# KiCad board Retro.kicad_pcb (continued)
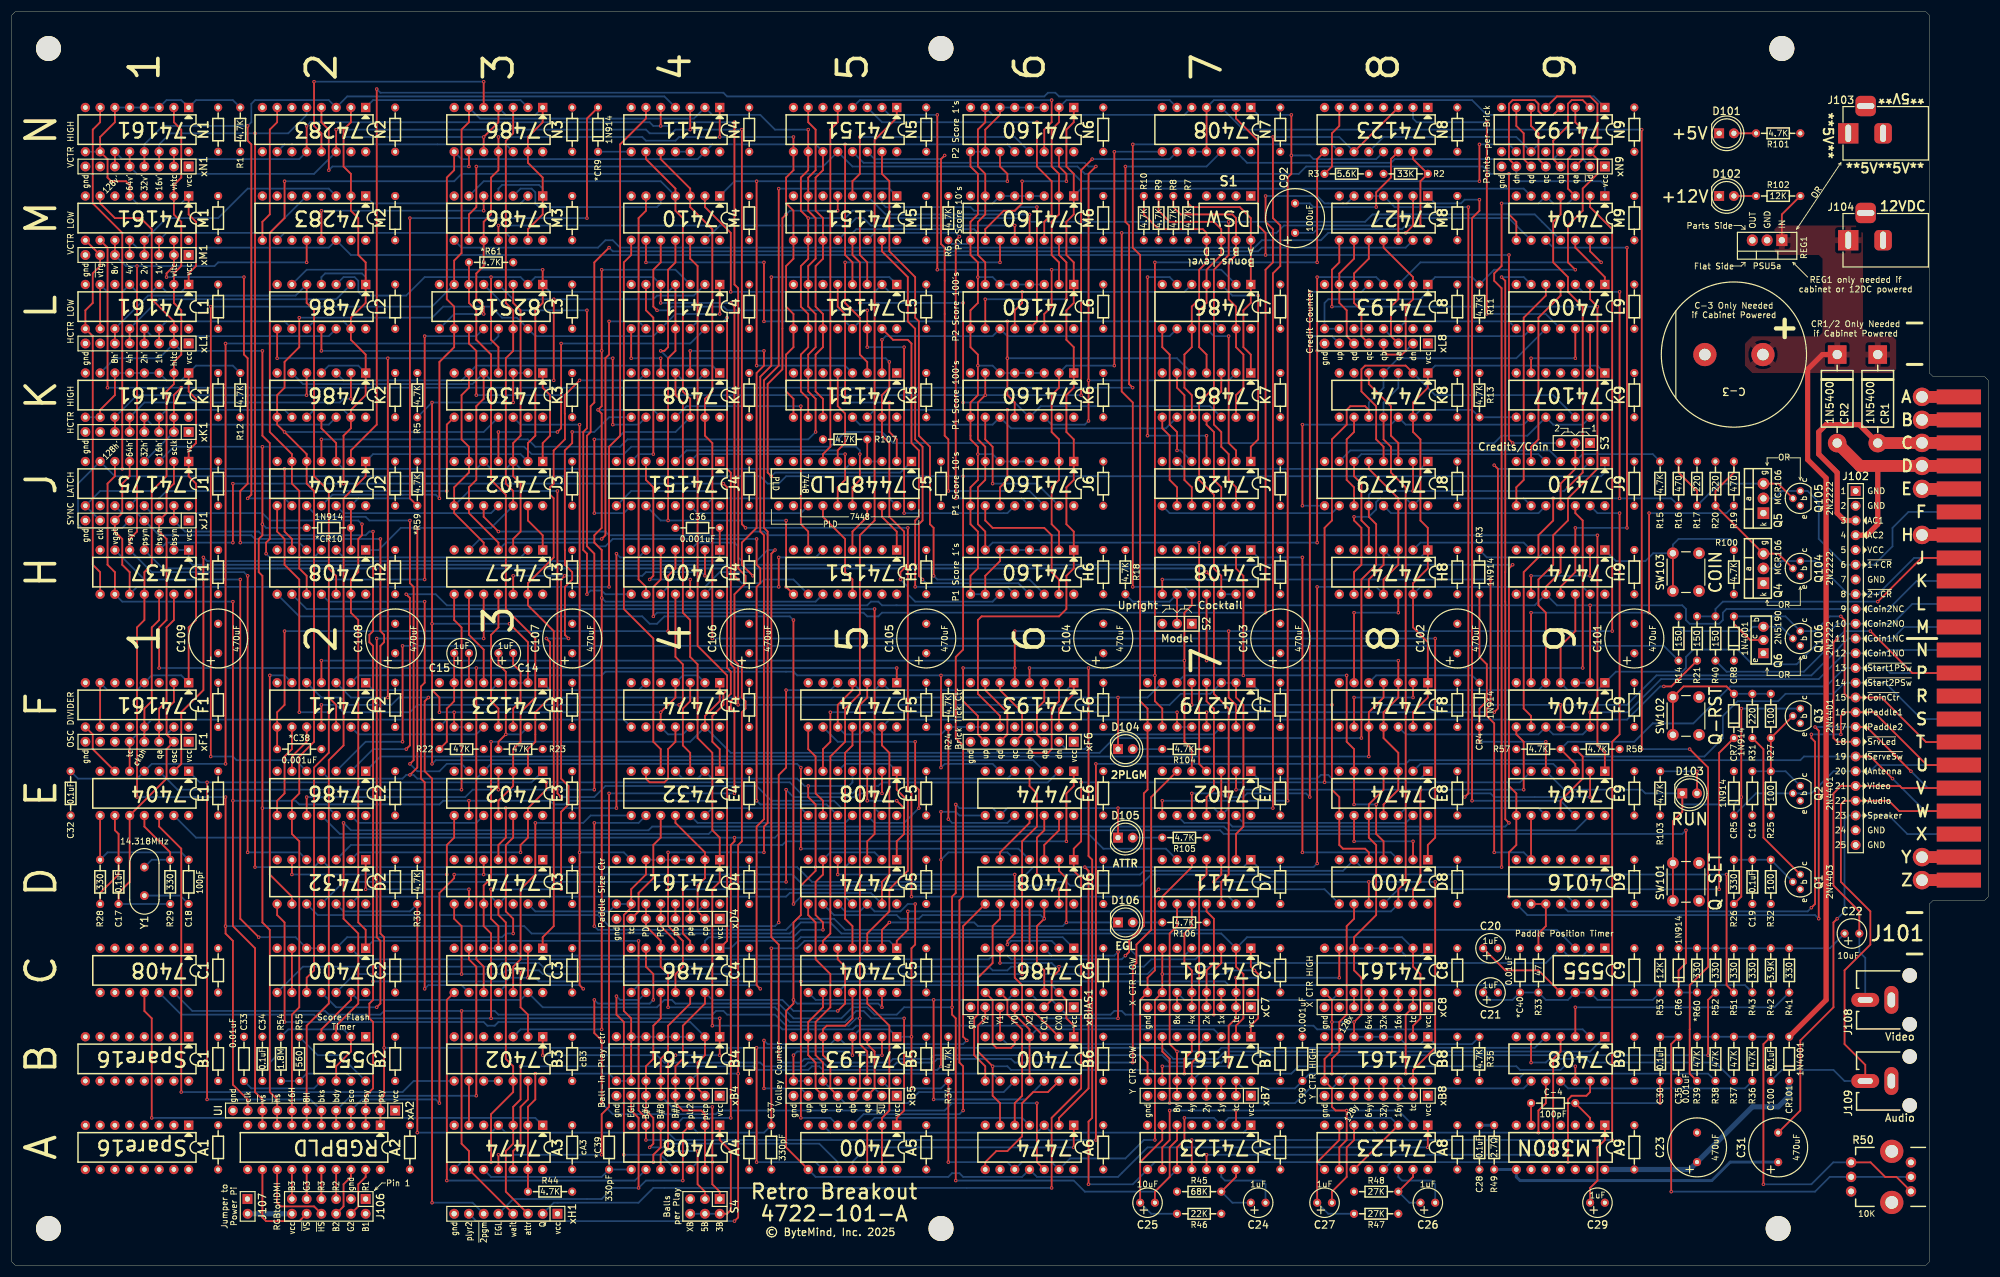
[diagram p0: board, top side]
## Routing (per net, layer and track width the routed paths; a pad name or vN(x,y) marks a point on that pad's centre or on a via; arc(x,y) is an arc through that point) (continued)
32V': length 175.2
  Top w0.305: N1.13 xN1.4 ; v1(40.64,196.21) 40.64,193.67 41.27,193.04 41.27,132.71 v1(40.64,132.08)
  Bottom w0.305: N4.4 112.39,201.29 57.78,201.29 N2.3 54.61,200.66 41.91,200.66 41.27,200.02 41.27,196.85 v1(40.64,196.21) 26.04,196.21 22.86,193.04 N1.13 ; v1(40.64,132.08) 46.99,132.08 J2.9
64V: length 487.9
  Top w0.305: v1(34.29,87.63) v1(34.29,165.1) ; K5.10 137.16,149.22 135.89,150.5 135.89,156.84 137.16,158.12 L5.10 137.16,163.83 135.89,165.1 135.89,172.08 137.16,173.35 M5.10 v1(137.16,180.34) 135.89,181.61 135.89,187.32 137.16,188.59 N5.10 v1(137.16,195.58) ; L3.7 76.2,173.04 77.47,174.31 77.47,195.58 78.74,196.85 N3.6 ; H7.12 208.28,118.74 207.01,120.01 207.01,132.71 204.47,135.25 204.47,148.59 207.01,151.13 207.01,171.45 209.55,173.99 v1(209.55,179.7)
  Bottom w0.305: M9.11 262.25,180.97 234.31,180.97 233.04,179.7 173.99,179.7 173.35,180.34 149.22,180.34 147.96,181.61 144.78,181.61 143.51,180.34 v1(137.16,180.34) ; v1(137.16,195.58) 131.44,195.58 128.91,198.12 120.65,198.12 N4.2 117.47,197.48 80.64,197.48 N3.6 ; v1(34.29,87.63) 38.1,87.63 38.73,86.99 48.9,86.99 E2.5 ; v1(34.29,165.1) 72.39,165.1 L3.7 ; H7.12 H7.13
64V1: length 74.3
  Top w0.305: E8.11 236.22,79.38 238.76,81.91 E8.3 238.76,88.26 236.22,90.8 F8.11 236.22,95.25 238.76,97.79 F8.3 v1(238.76,104.14) ; H7.11 v1(205.74,104.14)
  Bottom w0.305: v1(205.74,104.14) v1(238.76,104.14)
64V': length 335.2
  Top w0.305: N2.14 v1(55.88,195.58) ; v1(154.94,63.5) 154.94,81.28 154.31,81.91 v1(154.31,127) ; v1(116.84,195.58) N4.3 ; v1(125.73,195.58) 125.73,127.63 v1(126.36,127) ; N1.12 xN1.5
  Bottom w0.305: N2.14 52.07,187.96 21.59,187.96 xN1.5 ; v1(125.73,195.58) v1(116.84,195.58) 114.3,195.58 113.67,194.94 109.86,194.94 109.22,195.58 v1(55.88,195.58) ; D7.13 209.55,63.5 v1(154.94,63.5) ; v1(154.31,127) v1(126.36,127)
128V: length 149.1
  Top w0.305: v1(81.28,163.83) 81.28,165.1 80.01,166.37 80.01,170.81 81.28,172.08 M3.10 81.28,179.7 82.55,180.97 82.55,187.32 83.82,188.59 N3.11 v1(83.82,194.31) ; N4.1 v1(121.92,194.31) ; v1(134.62,194.31) N5.9 134.62,188.59 133.35,187.32 133.35,182.88 134.62,181.61 M5.9 134.62,173.35 133.35,172.08 133.35,165.1 134.62,163.83 L5.9 134.62,158.12 133.35,156.84 133.35,150.5 134.62,149.22 K5.9
  Bottom w0.305: v1(81.28,163.83) 76.2,163.83 L3.9 ; v1(134.62,194.31) v1(121.92,194.31) 114.94,194.31 114.3,193.67 109.22,193.67 108.58,194.31 v1(83.82,194.31)
128V': length 339.7
  Top w0.305: D7.2 210.82,74.29 212.09,75.56 212.09,96.52 210.82,97.79 F7.2 ; N1.11 xN1.6 ; v1(111.76,196.21) N4.5 ; v1(125.09,96.52) 125.09,103.5 124.46,104.14 124.46,115.57 126.36,117.47 126.36,118.74 125.09,120.01 125.11,120.03 125.11,164.45 125.09,164.46 125.09,168.27 124.46,168.91 v1(124.46,196.85) ; N2.12 v1(50.8,196.21)
  Bottom w0.305: F7.2 F7.3 206.38,98.42 201.29,98.42 199.39,96.52 v1(125.09,96.52) ; N1.11 19.05,190.5 49.53,190.5 N2.12 ; v1(50.8,196.21) 51.44,196.85 109.86,196.85 110.49,196.21 v1(111.76,196.21) 113.03,196.21 113.67,196.85 v1(124.46,196.85)
/vbus: length 29.6
  Bottom w0.305: C22.1 313.06,54.61 R41.2 R42.2 R43.1 R51.1 R52.2 *R60.1 CR6.2
GND: length 63.5
  Top w2.032: J101.H J101.7 ; J101.A J101.1 ; J101.B J101.2 ; J101.Y J101.21 ; J101.22 J101.Z
  Bottom w2.032: J101.A J101.1 ; J101.Z J101.22 ; J101.B J101.2 ; J101.7 J101.H ; J101.Y J101.21
VCC: length 27.3
  Top w2.032: J101.E J101.5
  Bottom w0.305: R55.1 52.7,36.19 56.52,36.19 B2.8
  Bottom w2.032: J101.E J101.5
1_OR_2_CREDIT: length 107.8
  Top w0.305: v1(276.86,167.64) v1(276.86,132.08) ; v1(265.43,132.08) 265.43,128.27 262.89,125.73 262.89,121.92 260.35,119.38 260.35,95.88 261.62,94.61 F9.9
  Bottom w0.305: R16.1 285.75,132.08 v1(265.43,132.08) ; L9.3 270.51,167.64 v1(276.86,167.64)
1H: length 148.9
  Top w0.305: L2.8 v1(45.72,156.21) ; v1(64.77,97.79) v1(64.77,156.21) ; v1(103.5,156.21) v1(103.5,144.78)
  Bottom w0.305: v1(45.72,156.21) v1(103.5,156.21) ; F2.3 58.42,97.79 v1(64.77,97.79) ; v1(103.5,144.78) 107.95,144.78 K4.9
1H': length 26.5
  Top w0.305: L1.14 xL1.3
  Bottom w0.305: L1.14 26.67,162.56 46.99,162.56 L2.9
1x: length 2.5
  Top w0.305: C7.14 xC7.3
1y: length 2.5
  Top w0.305: B7.14 xB7.3
2_CR_START: length 17.8
  Top w0.305: E8.9 v1(231.14,73.02) ; D8.2 v1(241.3,73.02)
  Bottom w0.305: v1(241.3,73.02) v1(231.14,73.02)
2_CREDIT: length 64.7
  Top w0.305: F9.6 v1(261.62,112.39) ; v1(281.94,112.39) v1(281.94,129.54)
  Bottom w0.305: v1(261.62,112.39) v1(281.94,112.39) ; R19.1 295.27,129.54 v1(281.94,129.54)
2H: length 266.7
  Top w0.305: v1(101.6,171.45) v1(101.6,157.48) 101.6,147.95 v1(100.97,147.32) 101.6,146.69 101.6,127 100.33,125.73 100.33,124.46 101.6,123.19 v1(101.6,114.93) v1(101.6,40.64) ; L2.11 v1(53.34,157.48)
  Bottom w0.305: B3.3 87.63,40.64 v1(101.6,40.64) ; v1(101.6,114.93) 102.23,114.3 138.43,114.3 H5.11 ; v1(100.97,147.32) 110.49,147.32 K4.10 ; v1(53.34,157.48) v1(101.6,157.48) ; L4.3 114.3,171.45 v1(101.6,171.45)
2H': length 36.6
  Top w0.305: L1.13 xL1.4
  Bottom w0.305: L1.13 24.13,160.02 54.61,160.02 L2.12
2x: length 18.8
  Top w0.305: D7.11 205.74,60.96 207.01,59.69 207.01,52.07 205.74,50.8 C7.13 xC7.4
2y: length 2.5
  Top w0.305: B7.13 xB7.4
4H: length 155.8
  Top w0.305: v1(125.09,118.11) 124.46,118.74 124.46,165.1 v1(123.83,165.73) ; K3.4 83.82,158.12 82.55,159.38 v1(82.55,170.18) ; v1(111.76,165.73) L4.5
  Bottom w0.305: v1(123.83,165.73) v1(111.76,165.73) ; L4.5 110.49,170.18 90.17,170.18 L3.2 87.63,170.18 71.12,170.18 67.94,167 60.33,167 59.69,167.64 59.69,169.54 59.05,170.18 57.15,170.18 L2.3 ; H5.10 134.62,118.11 129.54,118.11 128.91,117.47 125.73,117.47 v1(125.09,118.11)
4H': length 43.8
  Top w0.305: L1.12 xL1.5
  Bottom w0.305: L2.2 55.88,166.37 25.4,166.37 L1.12
4x: length 18.8
  Top w0.305: xC7.5 C7.12 203.2,50.8 201.93,52.07 201.93,57.15 203.2,58.42 D7.10
4y: length 111.9
  Top w0.305: v1(269.24,34.29) B9.12 ; D7.4 205.74,67.31 204.47,66.04 204.47,36.19 203.2,34.92 B7.12 xB7.5
  Bottom w0.305: B7.12 204.47,33.02 220.34,33.02 221.62,34.29 259.08,34.29 259.71,33.66 266.7,33.66 267.33,34.29 v1(269.24,34.29)
8H: length 331.1
  Top w0.305: J2.1 60.96,135.89 57.15,132.08 57.15,89.53 54.61,86.99 54.61,45.08 50.8,41.27 xA2.7 A2.6 ; L4.4 L4.11 114.3,157.48 113.03,156.21 v1(113.03,128.27) ; v1(91.44,171.45) L3.1 91.44,165.73 90.17,164.46 90.17,142.88 88.9,141.6 J3.2 ; H5.9 v1(133.35,116.84) v1(133.35,128.27)
  Bottom w0.305: J3.2 87.63,139.7 62.23,139.7 J2.1 ; L4.4 113.03,167.64 92.71,167.64 L3.1 ; J4.11 111.76,128.27 v1(133.35,128.27) ; L2.6 50.8,171.45 v1(91.44,171.45) ; v1(133.35,116.84) H5.9
8H': length 94.2
  Top w0.305: L1.11 xL1.6 ; H2.12 55.88,118.74 54.61,120.01 54.61,133.35 52.07,135.89 52.07,164.46 50.8,165.73 L2.5
  Bottom w0.305: L2.5 48.9,167 23.5,167 L1.11
8x: length 31.5
  Top w0.305: C7.11 xC7.6
  Bottom w0.305: C8.10 227.33,45.72 201.93,45.72 C7.11
8y: length 98.6
  Top w0.305: D7.9 200.66,58.42 199.39,57.15 199.39,38.1 v1(200.66,36.83) B7.11 xB7.6
  Bottom w0.305: B9.5 262.25,37.46 208.28,37.46 207.65,36.83 v1(200.66,36.83)
16H: length 265.7
  Top w0.305: A2.7 xA2.8 48.26,43.18 49.53,44.45 49.53,73.02 48.26,74.29 E2.9 48.26,80.01 49.53,81.28 49.53,87.63 52.07,90.17 52.07,133.35 50.8,134.62 J2.5 50.8,139.7 v1(46.99,143.51) 45.72,144.78 K2.8 45.72,149.86 46.99,151.13 46.99,155.57 49.53,158.12 v1(49.53,163.19) ; v1(121.92,163.83) L4.1
  Bottom w0.305: v1(121.92,163.83) 114.3,163.83 L4.10 110.49,160.02 90.17,160.02 L3.15 87,163.19 84.45,163.19 82.55,165.1 74.3,165.1 72.39,163.19 v1(49.53,163.19) ; v1(46.99,143.51) 81.28,143.51 K3.11
16H': length 26.5
  Top w0.305: xK1.3 K1.14
  Bottom w0.305: K2.9 46.99,147.32 26.67,147.32 K1.14
16x: length 2.5
  Top w0.305: C8.14 xC8.3
16y: length 26.5
  Top w0.305: B8.14 xB8.3
  Bottom w0.305: B8.14 240.03,30.48 260.35,30.48 B9.9
32H: length 148.6
  Top w0.305: H3.3 86.36,125.09 87.63,126.36 87.63,134.62 86.36,135.89 J3.3 86.36,141.6 87.63,142.88 87.63,164.46 86.36,165.73 L3.3 ; K2.11 53.34,144.14 55.88,141.6 J2.3
  Bottom w0.305: J5.5 143.51,137.16 87.63,137.16 J3.3 85.09,137.16 82.55,137.16 J3.5 80.01,137.16 57.15,137.16 J2.3
32H': length 36.6
  Top w0.305: xK1.4 K1.13
  Bottom w0.305: K2.12 54.61,144.78 24.13,144.78 K1.13
32x: length 2.5
  Top w0.305: C8.13 xC8.4
32y: length 2.5
  Top w0.305: B8.13 xB8.4
64H: length 232.8
  Top w0.305: v1(94.61,80.64) 93.98,81.28 v1(93.98,133.35) ; H3.5 81.28,124.46 76.2,129.54 J3.8 76.2,133.98 78.74,136.52 J3.6 78.74,140.97 77.47,142.24 77.47,149.86 78.74,151.13 K3.6
  Bottom w0.305: v1(93.98,133.35) 78.74,133.35 J3.8 ; K2.3 57.15,152.4 77.47,152.4 K3.6 80.01,154.94 120.65,154.94 K4.1 ; E5.13 148.59,78.74 142.88,78.74 141.6,80.01 130.81,80.01 128.27,82.55 102.23,82.55 100.33,80.64 v1(94.61,80.64)
64H': length 46.4
  Top w0.305: xK1.5 K1.12 ; v1(58.42,149.22) K2.2
  Bottom w0.305: v1(58.42,149.22) 57.15,149.22 56.52,148.59 22.86,148.59 K1.12
64x: length 2.5
  Top w0.305: C8.12 xC8.5
64y: length 2.5
  Top w0.305: B8.12 xB8.5
128H: length 238.9
  Top w0.305: v1(128.27,80.01) 128.27,116.84 128.91,117.47 128.91,120.01 128.27,120.65 v1(128.27,125.09) ; v1(93.34,166.37) v1(93.34,152.4) ; H3.4 83.82,124.46 78.74,129.54 J3.9 78.74,133.98 80.01,135.25 80.01,147.95 81.28,149.22 K3.5
  Bottom w0.305: H3.4 85.09,124.46 100.33,124.46 100.97,123.82 102.23,123.82 103.5,125.09 v1(128.27,125.09) ; v1(128.27,80.01) 128.91,79.38 140.34,79.38 E5.10 ; v1(93.34,152.4) 82.55,152.4 K3.5 79.38,151.76 50.16,151.76 K2.6 ; L3.4 86.36,166.37 v1(93.34,166.37) 110.49,166.37 111.12,167 117.47,167 L4.2
128H': length 41
  Top w0.305: xK1.6 K1.11 ; v1(50.78,149.84) 50.8,149.86 K2.5
  Bottom w0.305: 50.8,149.86 v1(50.78,149.84) 21.57,149.84 K1.11
128x: length 2.5
  Top w0.305: C8.11 xC8.6
128y: length 2.5
  Top w0.305: B8.11 xB8.6
/bp_hit: length 32.6
  Top w0.305: C5.12 147.32,45.08 151.13,41.27 151.13,26.67 149.86,25.4 A5.2 A5.13
/LH_SIDE: length 8.7
  Top w0.305: H3.1 91.44,125.73 88.9,128.27 J3.13
/paddle: length 43
  Top w0.305: v1(269.24,44.45) B9.3
  Bottom w0.305: R41.1 303.53,44.45 v1(269.24,44.45)
/PLAYFIELD: length 280.5
  Top w0.305: v1(131.44,123.19) 130.81,122.55 130.81,56.51 132.08,55.24 v1(132.08,35.56) ; v1(292.1,36.19) 292.1,45.72 R52.1
  Bottom w0.305: v1(292.1,36.19) 209.55,36.19 208.28,34.92 199.39,34.92 198.12,36.19 158.75,36.19 158.12,35.56 151.76,35.56 151.13,34.92 140.97,34.92 140.34,35.56 136.53,35.56 135.89,34.92 132.72,34.92 v1(132.08,35.56) ; H4.3 118.11,124.46 124.46,124.46 125.09,123.82 125.09,121.92 125.73,121.28 128.27,121.28 130.18,123.19 v1(131.44,123.19)
/RH_SIDE: length 34.1
  Bottom w0.305: H2.3 57.15,121.92 87.63,121.92 H3.2
/Sheet2/abus: length 67.7
  Top w0.305: R50.3 324.52,15.24 322.58,15.24 320.08,17.74 R50.3 ; C100.2 301.62,38.1 v1(301.62,13.97)
  Bottom w0.305: R50.3 313.65,17.74 309.88,13.97 v1(301.62,13.97) ; C100.2 R36.1 R37.1 R38.1 R39.1
/Sheet2/btb_hit: length 39.2
  Top w0.305: F5.11 144.78,89.53 143.51,88.26 143.51,59.69 144.78,58.42 C5.4
/Sheet2/dispA: length 62
  Top w0.305: N5.5 142.24,196.85 140.97,195.58 140.97,140.97 139.7,139.7 J5.7
/Sheet2/dispB: length 83.5
  Top w0.305: v1(133.35,180.97) 132.72,180.34 132.72,154.31 130.18,151.76 130.18,136.52 v1(130.81,135.89) ; M5.5 v1(142.24,181.61)
  Bottom w0.305: J5.1 153.03,136.52 131.44,136.52 v1(130.81,135.89) ; v1(133.35,180.97) 133.99,181.61 v1(142.24,181.61)
/Sheet2/dispC: length 39.2
  Top w0.305: v1(143.51,148.59) 143.51,163.83 142.24,165.1 L5.5 ; v1(151.13,148.59) 151.13,143.51 152.4,142.24 J5.2
  Bottom w0.305: v1(151.13,148.59) v1(143.51,148.59)
/Sheet2/dispD: length 16.3
  Top w0.305: K5.5 142.24,147.95 143.51,146.69 143.51,141.6 142.24,140.33 J5.6
/Sheet2/large_pad: length 16.3
  Top w0.305: E5.9 139.7,80.01 138.43,81.28 138.43,87.63 137.16,88.9 F5.8
/Sheet2/P2COND': length 121.3
  Top w0.305: E9.9 D9.6 ; v1(254.63,118.11) 254.63,96.52 254,95.88 254,94.61 255.27,93.34 v1(255.27,71.12) ; H7.8 v1(198.12,118.11)
  Bottom w0.305: v1(198.12,118.11) v1(254.63,118.11) ; D9.6 260.35,71.12 v1(255.27,71.12)
/Sheet2/pad_cep: length 134.2
  Top w0.305: v1(98.42,47.62) 97.79,48.26 v1(97.79,71.12) v1(97.79,144.78)
  Bottom w0.305: D4.7 105.41,71.12 v1(97.79,71.12) ; K3.12 87.63,144.78 v1(97.79,144.78) ; C3.11 85.09,48.26 97.79,48.26 v1(98.42,47.62)
/Sheet2/pad_v1: length 10.7
  Top w0.305: R33.1 262.89,57.15 264.16,58.42 D9.10 D9.9
/Sheet2/pad_v2: length 33.6
  Bottom w0.305: C21.1 254.63,45.72 258.44,45.72 *C40.1 R33.2 264.16,45.72 267.97,45.72 C9.6 C9.7 273.05,45.72 282.57,45.72 R53.1
/Sheet2/PLNR: length 291.3
  Top w0.305: E2.10 v1(50.8,80.64) ; v1(100.33,81.91) 100.33,122.55 99.06,123.82 99.06,142.88 99.69,143.51 99.69,147.95 100.33,148.59 100.33,172.72 v1(102.87,175.26) ; v1(83.82,81.91) E3.4
  Bottom w0.305: M8.13 240.03,175.26 215.26,175.26 214.63,174.62 103.5,174.62 v1(102.87,175.26) ; v1(50.8,80.64) 78.11,80.64 79.38,81.91 v1(83.82,81.91) v1(100.33,81.91)
/Sheet2/SCEN: length 207.3
  Top w0.305: H4.5 111.76,118.11 110.49,116.84 v1(110.49,111.76) ; v1(215.9,112.39) 215.9,171.45 217.17,172.72 217.17,178.44 215.9,179.7 v1(215.9,184.15)
  Bottom w0.305: v1(215.9,112.39) 149.86,112.39 149.22,111.76 147.32,111.76 146.69,112.39 111.12,112.39 v1(110.49,111.76) ; M8.6 229.87,182.88 226.06,182.88 224.79,184.15 v1(215.9,184.15)
/Sheet2/seg_a: length 8.7
  Top w0.305: J5.17 147.32,128.9 144.78,126.36 H5.4
/Sheet2/seg_b: length 43.1
  Top w0.305: v1(146.05,139.7) 146.05,135.25 144.78,133.98 J5.16
  Bottom w0.305: v1(146.05,139.7) 146.05,140.33 145.41,140.97 142.88,140.97 142.24,140.33 116.2,140.33 J4.4
/Sheet2/seg_c: length 36.6
  Top w0.305: v1(143.51,139.7) 143.51,135.25 142.24,133.98 J5.15
  Bottom w0.305: J4.3 118.11,139.7 v1(143.51,139.7)
/Sheet2/seg_d: length 17.3
  Top w0.305: J5.14 139.7,128.9 143.51,125.09 143.51,119.38 144.78,118.11 H5.13
/Sheet2/seg_e: length 21.4
  Bottom w0.305: J5.13 135.89,129.54 118.11,129.54 J4.14
/Sheet2/seg_f: length 34.1
  Bottom w0.305: J5.19 151.13,132.08 120.65,132.08 J4.15
/Sheet2/seg_g: length 8.7
  Top w0.305: J5.18 149.86,128.9 152.4,126.36 H5.1
/Sheet2/segs: length 86.3
  Top w0.305: v1(114.94,96.52) 115.57,97.16 115.57,103.5 114.3,104.77 H4.11 ; F2.11 v1(53.34,96.52)
  Bottom w0.305: v1(114.94,96.52) 69.85,96.52 68.58,95.25 57.15,95.25 55.88,96.52 v1(53.34,96.52)
/Sheet2/segs_h: length 30.6
  Top w0.305: J4.6 109.22,135.25 110.49,133.98 110.49,118.74 v1(109.86,118.11) ; H4.12 v1(116.84,118.11)
  Bottom w0.305: v1(116.84,118.11) v1(109.86,118.11)
/Sheet2/segs_v: length 26.5
  Top w0.305: v1(132.08,116.84) v1(132.08,121.92)
  Bottom w0.305: H5.6 138.43,121.92 v1(132.08,121.92) ; v1(132.08,116.84) 120.65,116.84 H4.13
/Sheet2/SFL: length 256.2
  Top w0.305: B2.3 55.88,41.27 59.69,45.08 59.69,57.15 57.15,59.69 v1(57.15,76.2)
  Bottom w0.305: E9.13 269.24,74.93 209.38,74.93 208.75,75.56 110.29,75.56 109.66,74.93 58.42,74.93 v1(57.15,76.2)
/Sheet2/small_pad: length 39.1
  Top w0.305: v1(155.57,90.17) 155.57,82.55 156.21,81.91 v1(156.21,78.74)
  Bottom w0.305: v1(156.21,78.74) 153.67,76.2 148.59,76.2 E5.12 ; v1(155.57,90.17) 142.24,90.17 F5.9
/Sheet2/tick_pace: length 191.6
  Top w0.305: A7.12 v1(203.2,21.59) ; v1(276.86,129.54) 276.86,91.44 275.59,90.17 v1(275.59,21.59)
  Bottom w0.305: v1(276.86,129.54) 273.05,129.54 J9.13 ; v1(275.59,21.59) v1(203.2,21.59)
/Sheet2/~{mod_up}: length 15
  Top w0.305: S2.2 H7.9
  Bottom w0.305: R18.2 193.04,114.3 199.39,114.3 H7.9
/Sheet2/~{p2cond}: length 303.1
  Top w0.305: v1(258.44,120.65) 257.81,120.01 257.81,82.55 259.08,81.28 E9.8 259.08,72.39 257.81,71.12 v1(257.81,63.5)
  Bottom w0.305: v1(257.81,63.5) 267.97,63.5 D9.12 ; H1.2 H1.1 30.48,121.28 31.11,120.65 v1(258.44,120.65)
/Sheet2/~{PAD_EN}: length 232.4
  Bottom w0.305: C2.8 50.16,51.44 83.82,51.44 84.45,52.07 90.81,52.07 91.44,51.44 168.28,51.44 168.91,50.8 171.45,50.8 172.09,51.44 175.26,51.44 176.53,50.16 195.58,50.16 196.85,51.44 207.65,51.44 208.28,52.07 264.16,52.07 C9.4 267.97,53.34 270.51,53.34 C9.2
/Sheet2/~{SCI}: length 78.2
  Top w0.305: D3.4 83.82,72.39 85.09,73.66 v1(85.09,78.74) ; v1(104.14,122.55) v1(104.14,78.74)
  Bottom w0.305: v1(104.14,78.74) v1(85.09,78.74) ; H4.6 107.95,121.92 104.78,121.92 v1(104.14,122.55)
/Sheet2/~{SFL}: length 132.5
  Top w0.305: v1(252.73,183.51) 252.73,181.61 251.46,180.34 v1(251.46,80.01)
  Bottom w0.305: v1(252.73,183.51) 250.19,183.51 249.56,182.88 245.11,182.88 M8.1 ; v1(251.46,80.01) 266.7,80.01 E9.12
/Sheet2/~{TOP}: length 146.4
  Top w0.305: v1(250.19,80.64) 250.82,81.28 v1(250.82,182.25) ; E9.2 v1(271.78,80.64)
  Bottom w0.305: v1(271.78,80.64) 255.27,80.64 254.63,81.28 250.82,81.28 v1(250.19,80.64) ; v1(250.82,182.25) 238.12,182.25 M8.4 M8.5
/Sheet3/coin#1: length 22.9
  Top w0.305: F8.6 v1(231.14,112.39) ; v1(238.76,112.39) H8.12
  Bottom w0.305: v1(231.14,112.39) v1(238.76,112.39)
/Sheet3/coin#2: length 21.4
  Bottom w0.305: H9.6 260.35,124.46 242.57,124.46 H8.2
/Sheet3/COIN(credit): length 158.3
  Top w0.305: v1(256.54,170.18) 257.18,169.54 257.18,119.38 257.16,119.36 257.16,114.32 257.18,114.3 257.18,76.83 v1(257.81,76.2)
  Bottom w0.305: v1(257.81,76.2) 257.18,75.56 210.19,75.56 209.55,76.2 201.93,76.2 E7.9 ; L9.6 260.35,170.18 v1(256.54,170.18)
/Sheet3/~{BG1}: length 16.3
  Top w0.305: J8.11 231.14,133.98 229.87,135.25 229.87,142.24 231.14,143.51 K8.9
/Sheet3/~{BG2}: length 17.3
  Top w0.305: K8.5 233.68,151.76 237.49,147.95 237.49,142.88 238.76,141.6 J8.3
/Sheet3/~{q_off}: length 20.4
  Top w0.305: R25.1 R27.2 306.7,94.61
  Bottom w0.305: Q2.3 305.44,85.09 R25.1 C16.1
/Sheet3/~{q_on}: length 11.7
  Bottom w0.305: R26.1 C19.2 R32.2 306.7,66.04
/Sheet3/~{q_rst}: length 24.6
  Top w0.305: SW102.1 SW102.1 287.87,99.69 295.27,99.69 CR7.2
  Bottom w0.305: R27.1 R31.2 CR7.2
/Sheet4/V_UNREG: length 133.9
  Top w0.305: R102.1 304.8,180.97 REG1.1
  Top w0.889: CR101.2 312.42,45.72 312.42,135.57 309.25,138.75 309.25,154.31 311.79,156.84 CR2.1
/Sheet5/rgbB2: length 8.7
  Top w0.305: J106.4 59.69,10.16 59.69,13.97 60.96,15.24 A2.19
/Sheet5/rgbB3: length 5.1
  Top w0.305: A2.14 J106.11
/Sheet5/rgbG2: length 8.7
  Top w0.305: A2.18 58.42,15.24 57.15,13.97 57.15,10.16 J106.6
/Sheet5/rgbG3: length 5.1
  Top w0.305: A2.15 J106.9
/Sheet5/rgbR2: length 5.1
  Top w0.305: A2.17 J106.5
/Sheet5/rgbR3: length 5.1
  Top w0.305: A2.16 J106.7
/Sheet5/~{rgbHSync}: length 14.1
  Top w0.305: J106.8 52.07,10.16 46.35,10.16 45.72,10.79 A2.13
/Sheet5/~{rgbVSync}: length 16.7
  Top w0.305: J106.10 49.53,7.62 43.81,7.62 43.18,8.25 A2.12
/~{boundary}: length 121.7
  Top w0.305: v1(94.61,64.77) 94.61,78.1 95.89,79.38 95.89,82.55 94.61,83.82 94.61,118.13 v1(95.23,118.74) ; v1(82.55,64.77) 82.55,59.69 83.82,58.42 C3.4 ; H4.2 v1(119.38,118.74) ; H3.12 v1(86.36,118.74)
  Bottom w0.305: v1(119.38,118.74) 118.75,119.38 109.22,119.38 108.58,118.74 v1(95.23,118.74) v1(86.36,118.74) ; v1(82.55,64.77) v1(94.61,64.77) ; C3.5 C3.4
A1: length 97.1
  Top w0.305: N5.15 149.86,187.96 151.13,186.69 151.13,174.62 155.57,170.18 155.57,163.19 156.21,162.56 156.21,142.88 158.12,140.97 158.12,127.63 158.75,127 v1(158.75,118.74)
  Bottom w0.305: H6.14 175.26,118.11 159.38,118.11 v1(158.75,118.74)
A2: length 44.2
  Top w0.305: v1(179.07,200.66) 179.07,196.85 177.8,195.58 N6.14
  Bottom w0.305: N5.4 146.05,200.66 v1(179.07,200.66)
AC1: length 89.9
  Top w0.889: CR1.2 318.13,144.78 312.42,144.78 311.15,143.51 311.15,139.7 314.32,136.52 314.32,129.54 315.6,128.27 J102.3
  Top w2.032: J101.3 J101.C 328.9,141.6 CR1.2
  Bottom w0.889: J102.3 315.6,128.27 314.32,129.54 314.32,136.52 311.15,139.7 311.15,143.51 312.42,144.78 318.13,144.78 CR1.2
  Bottom w2.032: J101.3 J101.C 321.34,141.63 CR1.2
AC2: length 74.4
  Top w0.889: 321.31,137.67 321.31,127.63 319.4,125.73 J102.4
  Top w2.032: J101.4 J101.D 318.26,137.67 CR2.2
  Bottom w0.889: J102.4 319.4,125.73 321.31,127.63 321.31,137.67
  Bottom w2.032: CR2.2 318.26,137.67 J101.D J101.4
Antenna: length 42.3
  Bottom w0.305: CR5.1 300.36,81.28 309.88,81.28 313.69,85.09 J102.20 320.04,85.09 321.11,86.16 J101.17
ATTRACT: length 166.9
  Top w0.305: xH1.3 85.09,12.7 85.09,19.69 86.36,20.95 A3.3 86.36,27.3 87.63,28.57 v1(87.63,34.29) ; v1(160.02,34.29) v1(160.02,69.85) v1(160.02,78.1)
  Bottom w0.305: E6.8 163.19,77.47 162.56,78.1 v1(160.02,78.1) ; v1(87.63,34.29) 127.64,34.29 128.27,33.66 137.16,33.66 137.79,34.29 139.06,34.29 139.7,33.66 159.38,33.66 v1(160.02,34.29) ; D6.5 171.45,71.12 161.29,71.12 v1(160.02,69.85)
Audio: length 92.2
  Top w0.305: J101.W 324.99,78.23 323.21,80.01 J102.22 315.6,80.01 314.96,79.38 314.96,66.04 320.04,60.96 320.04,55.24 315.6,50.8 315.6,38.1 319.16,34.53 J109.2
  Bottom w0.305: C100.1 304.8,33.66 313.69,33.66 315.6,31.75 J109.2
B1: length 81.3
  Top w0.305: M5.15 149.86,174.62 154.31,170.18 154.31,162.56 155.57,161.29 155.57,142.24 156.84,140.97 156.84,128.27 156.21,127.63 156.21,118.74 v1(156.84,118.11)
  Bottom w0.305: H6.13 173.35,117.47 157.48,117.47 v1(156.84,118.11)
B2: length 40.9
  Top w0.305: v1(146.05,194.31) 146.05,187.96 144.78,186.69 M5.4
  Bottom w0.305: v1(146.05,194.31) 172.72,194.31 N6.13
BALL: length 235
  Top w0.305: v1(123.83,25.4) 123.83,72.39 124.46,73.02 v1(124.46,73.66)
  Bottom w0.305: D7.6 198.75,71.75 187.96,71.75 185.42,74.29 132.08,74.29 131.44,73.66 v1(124.46,73.66) 31.75,73.66 E1.13 ; A4.4 115.57,25.4 v1(123.83,25.4)
BALL#A: length 72.6
  Top w0.305: v1(142.24,43.81) 143.51,45.08 143.51,51.44 142.24,52.7 C5.5 ; C4.13 119.38,45.08 115.57,41.27 115.57,35.56 114.3,34.29 B4.13 xB4.4 114.3,27.94 115.57,26.67 118.75,26.67 119.38,26.03 A4.2 A4.13
  Bottom w0.305: v1(142.24,43.81) 134.62,43.81 132.72,45.72 120.65,45.72 C4.13
BALL#B: length 50.3
  Top w0.305: C4.12 116.84,45.08 113.03,41.27 113.03,36.83 111.76,35.56 B4.12 xB4.5 ; v1(120.65,27.3) 120.65,13.97 121.92,12.7 S4.1
  Bottom w0.305: xB4.5 113.67,27.3 v1(120.65,27.3) ; A4.12 118.11,17.78 v1(120.65,17.78)
BALL#C: length 45.8
  Top w0.305: C4.10 111.76,42.54 110.49,41.27 110.49,35.56 109.22,34.29 B4.11 xB4.6 109.22,26.67 110.49,25.4 110.49,20.95 v1(109.86,20.32) ; S4.3 119.38,12.7 118.11,13.97 v1(118.11,19.69)
  Bottom w0.305: v1(118.11,19.69) 113.03,19.69 112.39,20.32 v1(109.86,20.32)
BALL_DISPLAY: length 231.8
  Top w0.305: v1(109.22,21.59) A4.6 109.22,25.4 107.95,26.67 v1(107.95,55.88) ; v1(60.33,127.63) 60.33,125.73 59.69,125.09 59.69,119.38 58.42,118.11 H2.13 58.42,112.39 59.69,111.12 59.69,59.05 60.96,57.78 C2.1
  Bottom w0.305: v1(60.33,127.63) 59.69,128.27 44.45,128.27 43.18,129.54 24.13,129.54 J1.13 ; v1(109.22,21.59) 112.39,21.59 113.03,20.95 139.06,20.95 142.24,17.78 A5.10 ; C2.1 62.23,55.88 v1(107.95,55.88)
bonus_credit: length 166.7
  Top w0.305: v1(219.71,80.01) 219.71,187.32 220.34,187.96 v1(220.34,191.13) v1(220.34,198.12) ; E7.8 v1(198.12,80.01)
  Bottom w0.305: v1(198.12,80.01) v1(219.71,80.01) ; v1(220.34,191.13) 223.52,191.13 224.16,190.5 234.95,190.5 N8.13 ; N7.1 214.63,198.12 v1(220.34,198.12)
boundary: length 53.6
  Top w0.305: C3.6 78.74,52.7 80.01,51.44 v1(80.01,29.21) ; A2.4 xA2.5
  Bottom w0.305: xA2.5 58.42,29.21 v1(80.01,29.21)
bpc_qa: length 11.2
  Top w0.305: N9.3 269.24,196.85 270.51,195.58 270.51,190.5 xN9.3
bpc_qb: length 17
  Top w0.305: N9.2 270.51,200.66 268.61,200.66 267.97,200.02 267.97,196.21 265.43,193.67 265.43,190.5 xN9.4
bpc_qc: length 11.2
  Top w0.305: N9.6 261.62,196.21 262.89,194.94 262.89,190.5 xN9.5
bpc_qd: length 11.2
  Top w0.305: N9.7 259.08,196.21 260.35,194.94 260.35,190.5 xN9.6
BRICK_DISPLAY: length 140.2
  Top w0.305: A2.5 xA2.6 ; v1(33.66,28.57) v1(33.66,83.19)
  Bottom w0.305: xA2.6 51.44,28.57 v1(33.66,28.57) ; E3.1 89.53,83.19 v1(33.66,83.19) 32.38,83.19 E1.1
BRICK_HIT: length 169.7
  Top w0.305: D5.3 147.32,73.02 148.59,74.29 v1(148.59,113.03)
  Bottom w0.305: H2.9 50.8,113.03 v1(148.59,113.03) ; v1(148.59,83.82) 171.45,83.82 E6.5
BSYNC: length 416.2
  Top w0.305: C3.2 v1(88.9,49.53) ; v1(135.89,25.4) v1(135.89,48.89) ; v1(62.23,126.36) 62.23,109.22 61.59,108.58 61.59,107.31 62.23,106.68 v1(62.23,48.89) 62.23,45.72 61.59,45.08 61.59,42.54 62.23,41.91 62.23,30.48 60.96,29.21 xA2.3 A2.2 ; J1.15 xJ1.2
  Bottom w0.305: v1(62.23,126.36) 61.59,126.36 60.96,125.73 43.18,125.73 42.55,126.36 29.84,126.36 xJ1.2 ; R43.2 298.45,48.26 209.55,48.26 208.91,48.89 90.81,48.89 90.17,49.53 85.72,49.53 85.09,48.89 v1(62.23,48.89) ; A5.5 140.97,25.4 v1(135.89,25.4)
C1: length 66.5
  Top w0.305: v1(155.57,116.84) 155.57,128.27 156.21,128.9 156.21,140.33 154.94,141.6 154.94,158.75 154.31,159.38 151.76,159.38 L5.15
  Bottom w0.305: v1(155.57,116.84) 171.45,116.84 H6.12
C2: length 54.4
  Top w0.305: L5.4 144.78,172.72 143.51,173.99 v1(143.51,193.04)
  Bottom w0.305: N6.12 171.45,193.04 v1(143.51,193.04)
can_hit_brick: length 313.3
  Top w0.305: v1(193.04,193.04) 193.04,175.26 194.31,173.99 194.31,97.16 195.58,95.88 F7.9 195.58,81.91 194.94,81.28 194.94,58.42 192.41,55.88 192.41,53.97 v1(191.77,53.34)
  Bottom w0.305: N8.10 227.33,193.04 v1(193.04,193.04) ; C2.2 60.33,52.7 168.28,52.7 168.91,53.34 171.45,53.34 172.09,52.7 191.13,52.7 v1(191.77,53.34)
cc_dn: length 91.7
  Top w0.305: v1(224.79,124.46) v1(224.79,170.18)